# Altium PCB Driver3.1.PcbDoc
Units mil, origin at the board's own origin, x right, y up, seen from the top; angles counter-clockwise.
Board outline 3161.53 x 2569.09 mil, 2 copper layers (Top Layer, Bottom Layer); 33 components, 24 nets, 97 pads, 300 vias.
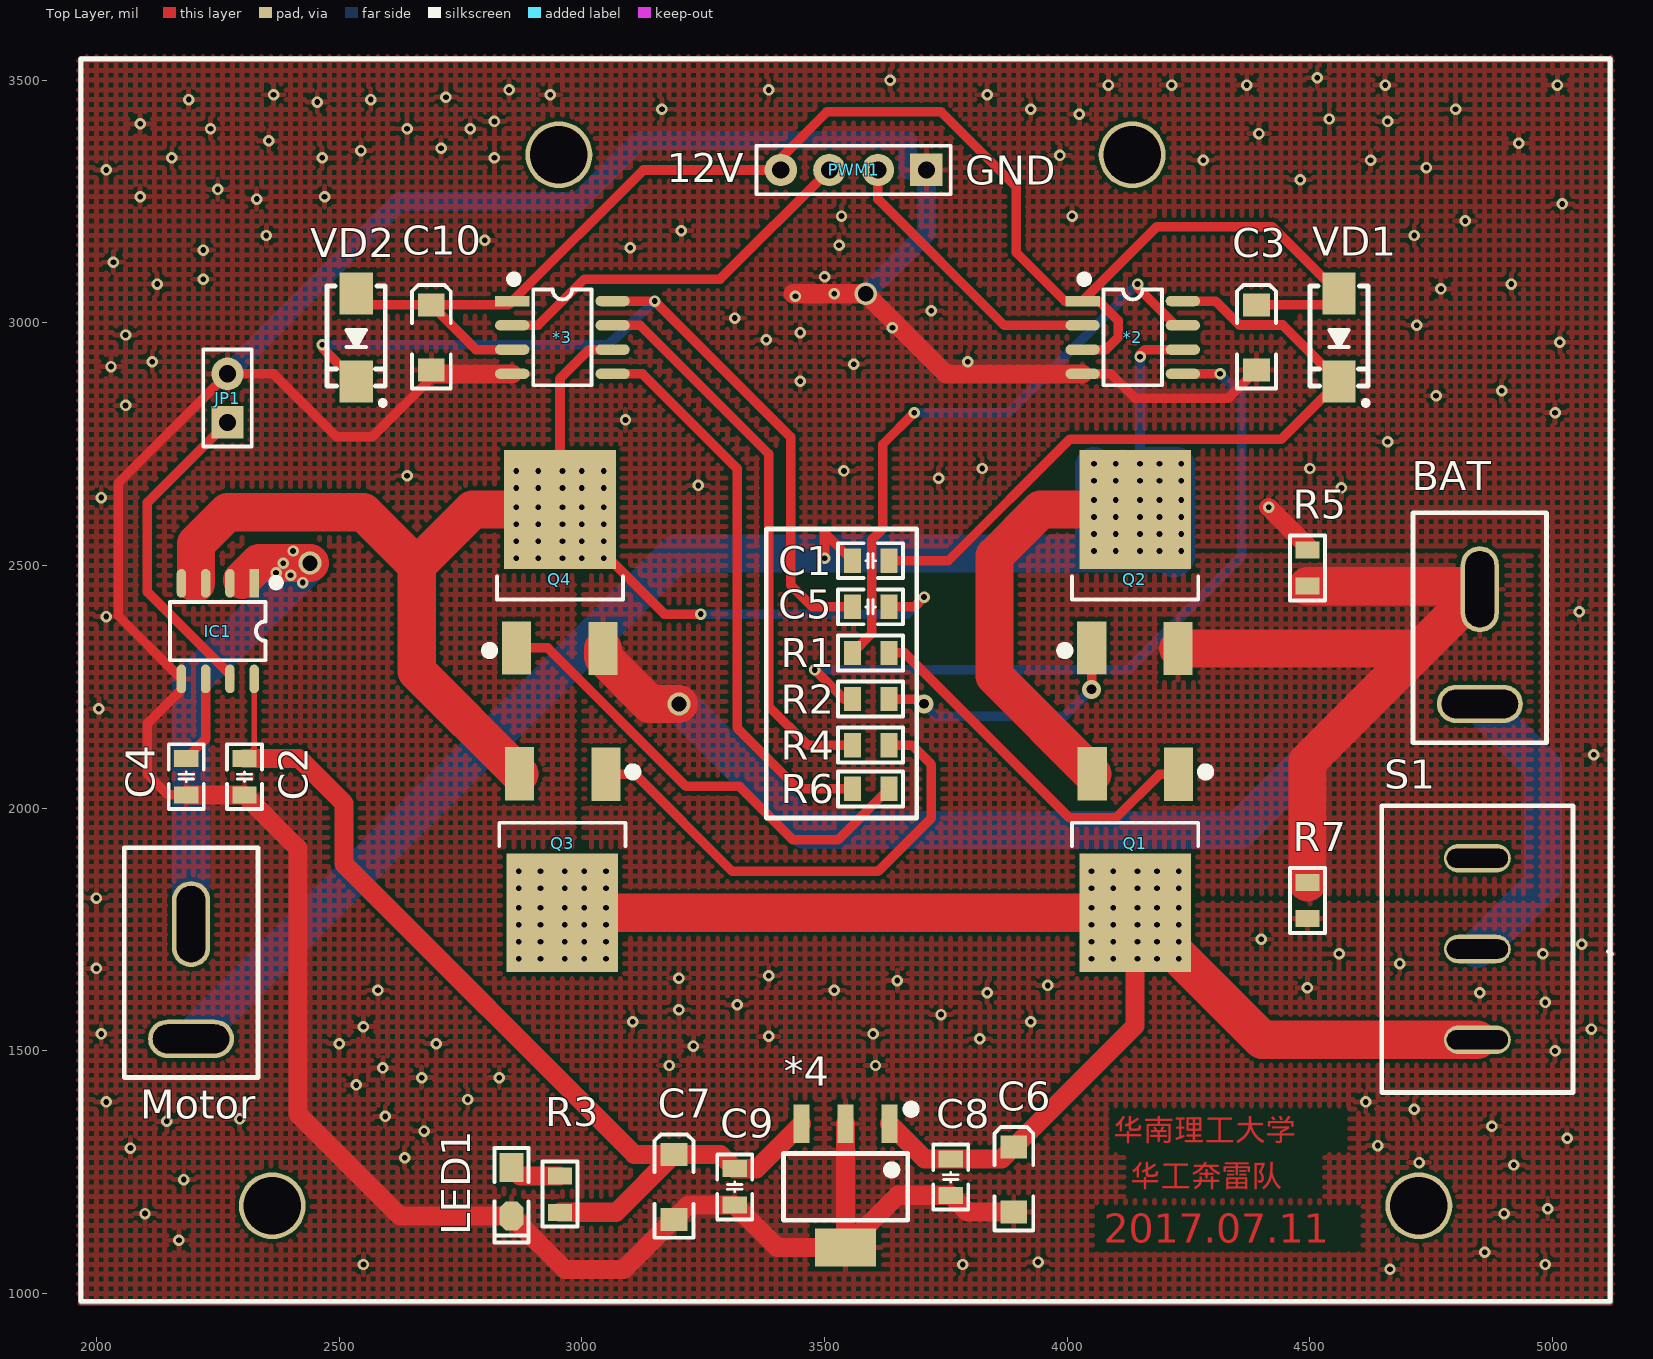
[diagram p0: Top Layer view]
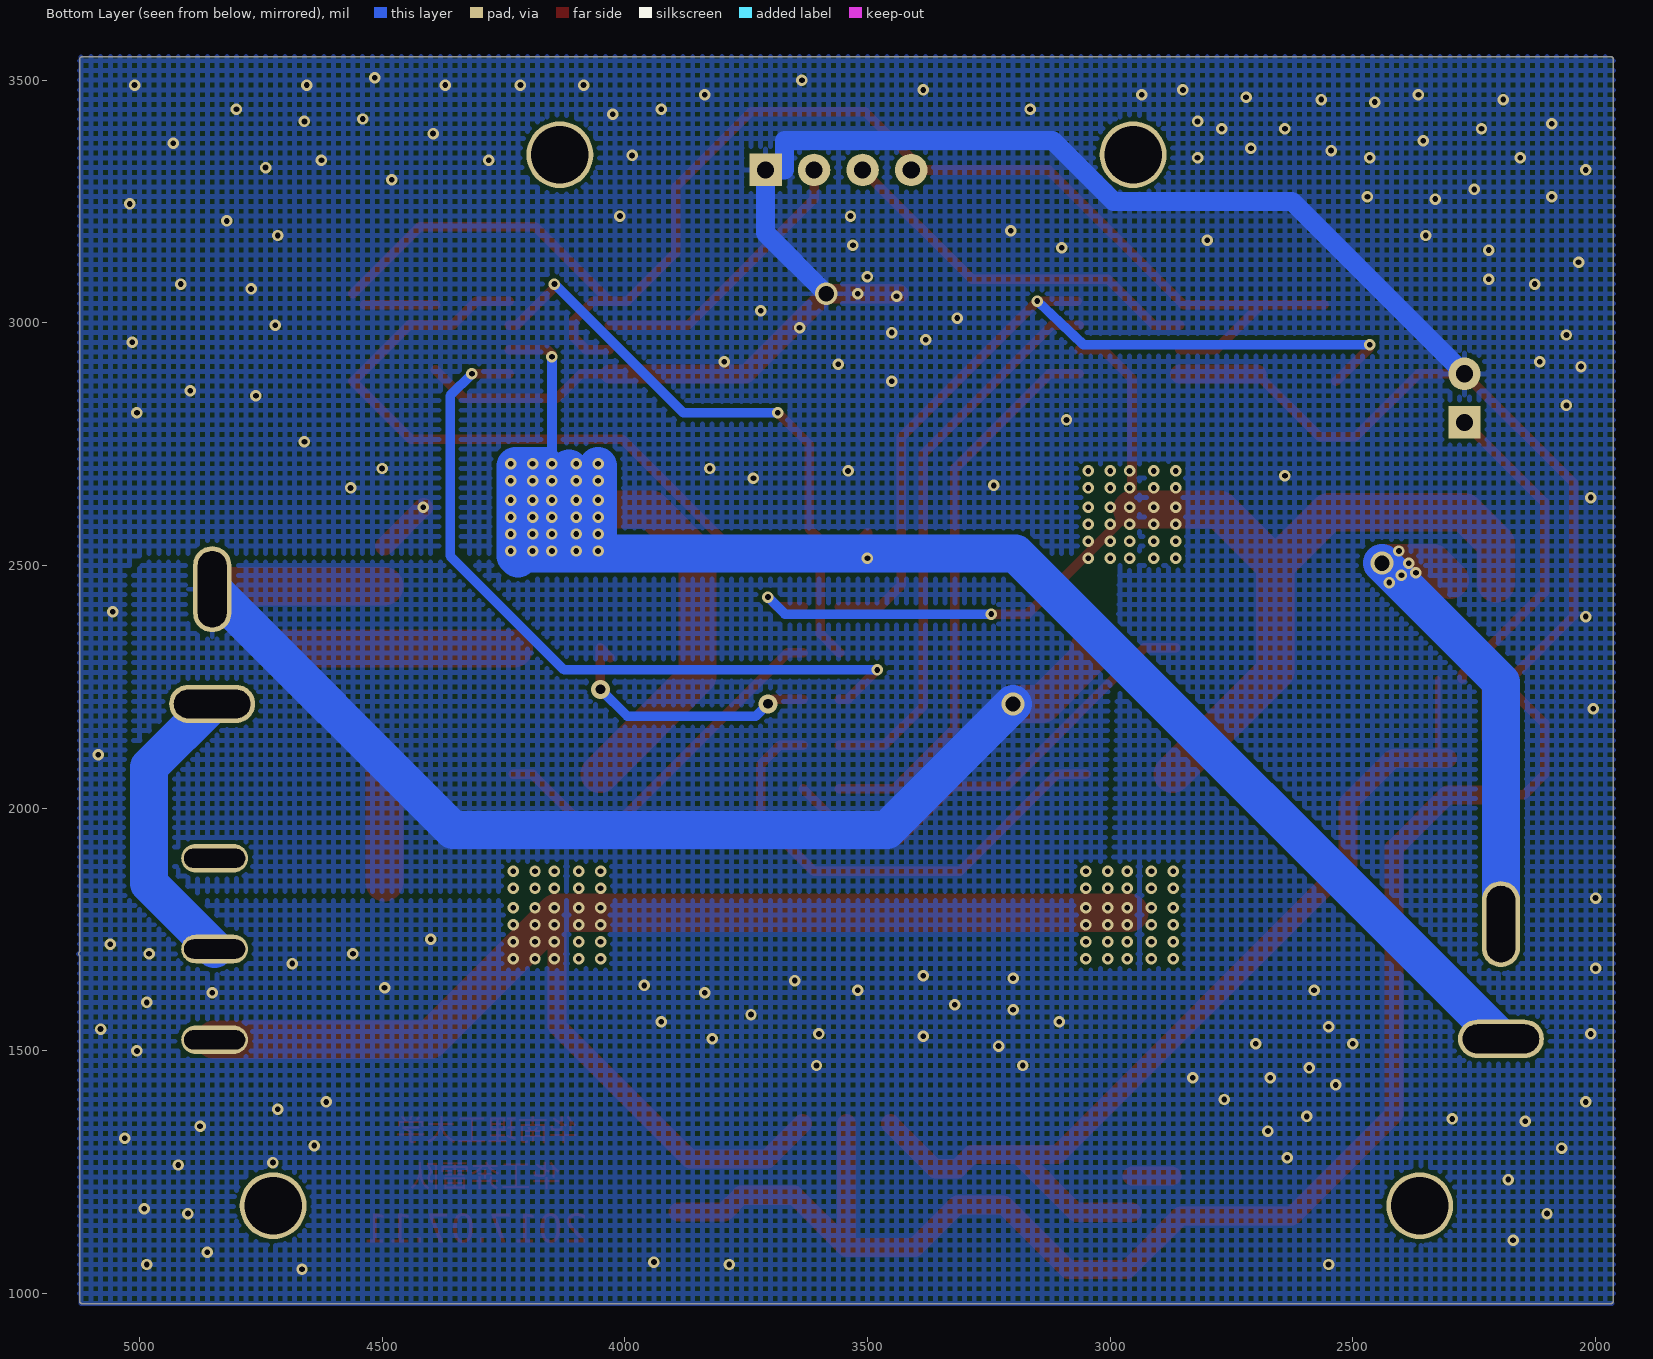
[diagram p1: Bottom Layer view, seen from below]

## Layer stack, top to bottom
Top Solder: solder mask 0.4, Solder Resist, Dk 3.5
Top Layer: signal copper 1.4
Dielectric 1: dielectric 12.6, FR-4, Dk 4.8
Bottom Layer: signal copper 1.4
Bottom Solder: solder mask 0.4, Solder Resist, Dk 3.5

## Board outline
1963.49,984.25 ccw(c1968.5,984.25) 1968.5,979.24 5118.11,979.24 ccw(c5118.11,984.25) 5123.13,984.25 5123.13,1696.08 ccw(c5120,1700) 5125.02,1700 ccw(c5120,1700) 5123.55,1703.55 5123.13,1703.97 5123.13,3543.31 ccw(c5118.11,3543.31) 5118.11,3548.32 1968.5,3548.32 ccw(c1968.5,3543.31) 1963.49,3543.31

## Design rules (kind name [scope] priority, off if disabled: settings)
Clearance [All] p1: gap=7.87
PolygonConnect [All] p1: connectstyle=Relief reliefconductorwidth=10 reliefentries=4 polygonreliefangle="90 Angle" airgapwidth=10
RoutingVias [All] p1: holewidth=11.81 width=23.62 viastyle="Through Hole" minholewidth=11.81 minwidth=23.62 maxholewidth=31.5 maxwidth=62.99
SolderMaskExpansion [All] p1: expansion=4
Width [All] p1: maxlimit=78.74 minlimit=10 preferedwidth=10 minimp=50.000000 maximp=50.000000 favimp=50.000000
30 further rules are at their usual default settings.

## Components (designator, comment, footprint, x,y, rotation, side; value= is the part's Value field where it differs from the comment)
*2 "IR2014S" SOP8_N 4135,2970 r0 top
*3 "IR2014S" SOP8_N 2960,2970 r0 top
*4 "LM2940" SOT223_N 3543.31,1220 r180 top
BAT "Header 2" "SW - DUPLICATE" 4850,2215 r90 top (schematic designator MT_BAT1)
C1 "104" "C 0805_L" 3595,2510 r180 top
C2 "104" "C 0805_L" 2305,2065 r90 top
C3 "Cap Pol1" "CD A(3216)" 4390,2970 r270 top
C4 "103" "C 0805_L" 2185,2065 r90 top
C5 "104" "C 0805_L" 3595,2415 r0 top
C6 "Cap Pol1" "CD A(3216)" 3890,1235 r270 top
C7 "Cap Pol1" "CD A(3216)" 3190,1220 r270 top
C8 "104" "C 0805_L" 3760,1240 r270 top
C9 "104" "C 0805_L" 3315,1220 r270 top
C10 "Cap Pol1" "CD A(3216)" 2690,2970 r270 top
IC1 "ACS712" SOP8_L 2250,2365 r270 top
JP1 "HDR-1X2" HDR2.54-LI-2P 2270,2845 r90 top
LED1 "红色" "LED 0805B" 2855,1210 r270 top
Motor "Motor" "SW - DUPLICATE" 2195,1525 r90 top (schematic designator *1)
PWM1 "HDR-1X4" HDR2.54-LI-4P 3560,3315 r180 top
Q1 "44H11" TO252 4140,1950 r180 top
Q2 "44H11" TO252 4140,2450 r0 top
Q3 "44H11" TO252 2960,1950 r180 top
Q4 "44H11" TO252 2955,2450 r0 top
R1 "1K" "R 0805_L" 3595,2320 r0 top
R2 "1K" "R 0805_L" 3595,2225 r0 top
R3 "1K" "R 0805_L" 2955,1205 r270 top
R4 "1K" "R 0805_L" 3595,2130 r0 top
R5 "1K" "R 0805_L" 4495,2495 r270 top
R6 "1K" "R 0805_L" 3595,2040 r0 top
R7 "1K" "R 0805_L" 4495,1810 r90 top
S1 "KCD1-101" SW_P 4845,1710 r90 top
VD1 "SS14" SMA 4560,2970 r270 top
VD2 "SS14" SMA 2535,2970 r270 top

## Footprints (in the part's own frame and the unit in brackets; to place one, negate y for a bottom-side part, rotate by r counter-clockwise, add the part's x,y. Pads: shape width x height; smd on the part's side, far side on the other; paste and mask are expansions set on the pad)
"C 0805_L" [mil] "无极性贴片电容"
  rect 35x50 smd: 1(-37.4,0) 2(37.4,0)
  silkscreen extent -67,-36 67,36, body extent -39,-24 39,24, height 20
"CD A(3216)" [mm] "长3.2mm，宽1.6mm，厚1.6mm"
  rect 1.2x1.4 smd: 1(-1.7,0) 2(1.7,0)
  silkscreen extent -2.74,-1.02 2.67,1.02, body extent -1.6,-0.8 1.6,0.8, height 1.6
HDR2.54-LI-2P [mm] "排针，2脚"
  rect 1.7x1.7 hole 0.9: 1(-1.27,0)
  round 1.7 hole 0.9: 2(1.27,0)
  silkscreen extent -2.54,-1.27 2.54,1.27, body extent -2.54,-1.27 2.54,1.27, height 8.5
HDR2.54-LI-4P [mm] "排针，4脚"
  rect 1.7x1.7 hole 0.9: 1(-3.81,0)
  round 1.7 hole 0.9: 2(-1.27,0) 3(1.27,0) 4(3.81,0)
  silkscreen extent -5.08,-1.27 5.08,1.27, body extent -5.08,-1.27 5.08,1.27, height 8.5
"LED 0805B" [mil] "蓝色0805LED"
  rect 60x50 smd: 1(-50,0)
  oct 60x50 smd: 2(50,0)
  silkscreen extent -90,-35 105,35, body extent -39,-25 39,25, height 32
"R 0805_L" [mil] "1/8W贴片电阻"
  rect 35x50 smd: 1(-37.4,0) 2(37.4,0)
  silkscreen extent -67,-36 67,36, body extent -39,-25 39,25, height 20
SMA [mm] "4.5x2.6*2.2mm（长宽高，不包括引脚）"
  rect 2.2x1.75 smd: 1(-2.3,0) 2(2.3,0)
  silkscreen extent -2.7,-1.52 3.56,1.52, body extent -2.53,-1.3 2.58,1.3, height 2.15
SOP8_L [mm] "5*6*1.8mm（长宽高）"
  rect 1.5x0.5 smd: 1(-2.5,1.905)
  oval 1.5x0.5 smd: 2(-2.5,0.635) 3(-2.5,-0.635) 4(-2.5,-1.905) 5(2.5,-1.905) 6(2.5,-0.635) 7(2.5,0.635) 8(2.5,1.905)
  silkscreen extent -2.69,-2.5 1.52,3.2, body extent -3,-2.5 3,2.5, height 1.9
SOP8_N [mm] "5*6*1.8mm（长宽高）"
  rect 1.8x0.55 smd: 1(-2.625,1.905)
  oval 1.8x0.55 smd: 2(-2.625,0.635) 3(-2.625,-0.635) 4(-2.625,-1.905) 5(2.625,-1.905) 6(2.625,-0.635) 7(2.625,0.635) 8(2.625,1.905)
  silkscreen extent -2.69,-2.5 1.52,3.2, body extent -3,-2.5 3,2.5, height 1.9
SOT223_N [mm] "6.4x7x1.6mm(长宽高)"
  rect 0.85x2 smd: 1(-2.3,-3.302) 2(0,-3.302) 3(2.3,-3.302)
  rect 3.2x2 smd: 2(0,3.175)
  silkscreen extent -3.63,-4.26 3.25,1.75, body extent -3.25,-3.51 3.25,3.51, height 1.65
"SW - DUPLICATE" [mm]
  oval 2x4.5 hole 1.5 slot 4 at 90 deg: 1(0,0)
  oval 4.5x2 hole 1.5 slot 4 at 0 deg: 2(6,0)
  silkscreen extent -2.03,-3.5 10,3.5
SW_P [mm]
  oval 1.5x3.5 hole 1 slot 3.2 at 90 deg: 1(-4.75,0) 2(0,0) 3(4.75,0)
  silkscreen extent -7.5,-5 7.5,5
TO252 [mil] "252晶体管"
  rect 60x110 smd: 1(-89.55,-119.77) 3(88.45,-120.77)
  rect 230x245 smd: 2(0,165.35)
  silkscreen extent -153,-133 130,28, body extent -128,-120 128,251, height 91

## Part data
BAT: "Header, 2-Pin"
C1 C2 C4 C5 C8 C9: library part C, "无极性贴片电容"
C3 C6 C7 C10: "Polarized Capacitor (Radial)"
IC1: "电流检测芯片"
JP1: library part "Header 2", "2P接插件"
LED1: library part LED-SMD, "贴片LED"
PWM1: library part "Header 4", "4P接插件"
Q1 Q2 Q3 Q4: "互补功率-NPN型"
R1 R2 R3 R4 R5 R6 R7: library part R, "贴片电阻"
S1: "1路单刀船型开关"
VD1 VD2: "肖特基二极管"

## Free pads (board coordinates)
  round 137.8 hole 118.11: 0(2362.2,1181.1) 0(2952.76,3346.46) 0(4133.86,3346.46) 0(4724.41,1181.1)

## Via types
v1: diameter 23.62, hole 11.81, Top Layer to Bottom Layer, tented both sides, 295 vias
v2: diameter 47.24, hole 31.5, Top Layer to Bottom Layer, tented both sides, 3 vias
v3: diameter 39.37, hole 19.68, Top Layer to Bottom Layer, tented both sides, 2 vias

## Nets (pads, with @x,y where several pads share a name; then routed paths per layer and width w, separated by ;. In a path a pad name is that pad's centre, name@x,y a point inside that pad or via, vN(x,y) a via of type N, cw(c..) or ccw(c..) an arc to the next point about the centre after c; other vN are vias at no path point)
5V: *4.3 C2.2 C7.1 C9.1 IC1.8 R3.2 | length 2066.2
  Top Layer w11.81: C2.2 2325,2122.4 IC1.8
  Top Layer w39.37: C2.2 2417.6,2102.4 2510,2010 2510,1885 3108.07,1286.93 C7.1 ; R3.2 3070.67,1167.6 C7.1 ; *4.3 3360.16,1257.4 C9.1 3285.47,1286.93 C7.1
12V: *2.1 *2.3 *3.1 *3.3 C3.1 C10.1 PWM1.4 VD1.1 VD2.1 | length 3101.9
  Top Layer w19.68: VD2.1@2558.62,3036.93 C10.1 ; *3.3 2781.93,2945 C10.1 ; *2.3 4080,2945 4105,2970 4105,3005 4065,3045 *2.1 ; C3.1 VD1.1@4536.38,3036.93 ; VD1.1 4422.2,3198.35 4185,3198.35 *2.1 ; C10.1 2848.58,3036.93 *3.1 3126.65,3315 PWM1.4 3410,3340 3505,3435 3740,3435 3895,3280 3895,3145 3995,3045 *2.1
ADC_CRT_1: IC1.7 JP1.1 | length 667.2
  Top Layer w19.68: JP1.1 2105,2630 2105,2445.23 2275,2275.23 IC1.7
AGND: BAT.2 Q2.3 Q4.3 R5.2 R7.2 | length 3776.5
  Top Layer w78.74: Q4.3 3043.45,2311.55 3140,2215 v2(3200,2215) ; Q2.3 4728.01,2329.23 ; R7.2 4495,2096.22 4728.01,2329.23 ; R5.2 BAT.2@4843.62,2457.6 ; BAT.2 4728.01,2329.23
  Bottom Layer w78.74: v2(3200,2215) 3460,1955 4353.78,1955 BAT.2
CRT_TEST_1: IC1.1 IC1.2 Motor.2 | length 1024.8
  Top Layer w11.81: IC1.2 2300,2463.43
  Top Layer w78.74: 2300,2470 2335,2505 v2(2440,2505)
  Bottom Layer w78.74: Motor.2 2195,2260 v2(2440,2505)
  other v1: 2425,2465 2400,2480 2370,2485 2385,2505 2405,2530
DGND: *2.4 *3.4 *4.2 C2.1 C3.2 C4.1 C6.2 C7.2 C8.2 C9.2 C10.2 IC1.5 JP1.2 LED1.2 PWM1.1 R5.1 R7.1 | length 7795.5
  Top Layer w19.68: IC1.5@2175,2245 2105,2175 2105,2070 2147.4,2027.6 C4.1 ; IC1.5 2045,2396.57 2045,2670 JP1.2 2365,2895 2495,2765 2568.07,2765 C10.2@2698.07,2895 ; *2.4 4090,2895 4140,2845 4331.93,2845 C3.2
  Top Layer w39.37: C4.1 C2.1 2415,1917.6 2415,1370 2625,1160 LED1.2 2965,1050 3086.93,1050 C7.2 3219.53,1182.6 C9.2 3402.6,1095 *4.2@3543.31,1095 ; C10.2@2698.07,2895 *3.4 ; v1@3435,3060 v2(3585,3060) 3750,2895 *2.4 ; *4.2@3543.31,1350 *4.2@3543.31,1095 ; C6.2 3794.53,1168.07 C8.2 3650.91,1202.6 *4.2@3543.31,1095 ; v1(4415,2620) R5.1@4495,2540
  Bottom Layer w39.37: JP1.2 2625,3250 2992.71,3250 3118.73,3376.02 3671.02,3376.02 3671.02,3315 PWM1.1 3710,3185 v2(3585,3060)
  other v1: 4665,1050 2550,1060 3785,1060 4985,1060 3940,1065 4860,1085 2170,1110 2100,1165 4900,1165 4990,1175 2180,1235 4920,1265 4725,1270 2635,1280 2070,1300 4640,1305 5030,1320 2675,1335 4875,1345 2145,1355 2295,1360 2595,1365 4715,1380 2020,1395 4615,1395 2765,1400 2535,1430 2670,1445 2830,1445 2590,1465 3180,1470 3605,1470 5005,1500 3230,1510 2500,1515 2700,1515 3820,1525 3385,1530 2010,1535 3600,1535 5080,1545 2550,1550 3105,1560 3925,1560 3740,1575 3200,1585 3320,1595 4985,1600 3835,1620 4850,1620 2580,1625 3520,1625 4495,1630 3960,1635 3650,1645 3200,1650 3385,1655 2000,1670 4685,1680 4560,1700 4980,1700 5060,1720 4400,1730 2000,1815 5085,2110 2005,2205 2020,2395 5055,2405 2010,2640 4565,2660 3240,2665 3735,2680 2640,2685 3540,2695 3825,2700 4500,2700 4660,2755 3090,2800 5005,2815 2060,2830 4760,2850 4895,2860 3450,2880 2030,2910 3560,2915 2115,2920 3795,2920 5015,2960 3380,2965 2060,2975 3450,2980 3640,2990 4720,2995 3315,3010 3720,3025 3440,3055 3520,3060 4770,3070 2125,3080 4915,3080 2220,3090 3500,3095 2035,3125 2220,3150 3100,3155 3530,3160 2800,3170 2350,3180 4715,3180 3205,3190 4820,3210 3535,3220 4010,3220 5020,3245 2330,3255 2090,3260 2470,3260 2250,3275 4480,3295 2020,3315 4740,3320 4280,3335 4625,3335 2155,3340 2465,3340 2820,3340 3985,3345 2545,3355 2710,3360 4930,3370 2355,3375 4395,3390 2235,3400 2640,3400 2770,3400 2090,3410 2820,3415 4660,3415 4540,3420 4025,3430 3165,3440 3925,3440 4800,3440 2455,3455 2190,3460 2565,3460 2720,3465 2365,3470 2935,3470 3835,3470 2850,3480 3385,3480 4085,3490 4215,3490 4370,3490 4655,3490 5010,3490 3635,3500 4515,3505
MOTOR1_IN1: *2.2 PWM1.2 | length 589.3
  Top Layer w19.68: PWM1.2 3610,3255 3870,2995 *2.2
MOTOR1_IN2: *3.2 PWM1.3 | length 785.9
  Top Layer w19.68: *3.2 2910,2995 3005,3090 3285,3090 PWM1.3
MOTOR1_N: *3.6 C5.2 IC1.3 IC1.4 Q3.3 Q4.2 | length 2856.1
  Top Layer w11.81: IC1.4 IC1.3
  Top Layer w19.68: *3.6 3015,2945 2955,2885 Q4.2 3170.35,2400 v1(3245,2400) ; C5.2 3685,2415 v1(3705,2435)
  Top Layer w78.74: 2205,2463.43 2205,2545 2270,2610 2550,2610 2660,2500 ; Q3.3 2660,2282.32 2660,2500 ; Q4.2 2775.35,2615.35 2660,2500
  Bottom Layer w19.68: v1(3245,2400) 3670,2400 v1(3705,2435)
  other v1: 2865,2515 2910,2515 2960,2515 3000,2515 3045,2515 2865,2550 2910,2550 2960,2550 3000,2550 3045,2550 2865,2585 2910,2585 2960,2585 3000,2585 3045,2585 2865,2620 2910,2620 2960,2620 3000,2620 3045,2620 2865,2660 2910,2660 2960,2660 3000,2660 3045,2660 2865,2695 2910,2695 2960,2695 3000,2695 3045,2695
MOTOR1_P: *2.6 C1.2 Motor.1 Q1.3 Q2.2 | length 4430.4
  Top Layer w19.68: v1(3500,2515) 3500,2567.6 C1.2 ; v1(4150,2930) 4150,2935 4160,2945 *2.6
  Top Layer w78.74: Q2.2@4045,2615.35 3945.35,2615.35 3850,2520 3850,2272.32 Q1.3
  Bottom Layer w19.68: v1@4150,2715 v1(4150,2930)
  Bottom Layer w78.74: Motor.1 3195,2525 v1@4045,2525 ; v1@4055,2705 4055,2535 v1@4045,2525 ; 4115,2545 4115,2700 ; v1@4045,2525 v1@4160,2525 ; v1@4160,2525 4210,2525 4220,2515 4225,2520 4225,2705 4165,2705 4160,2700 v1@4160,2525
  other v1: 4055,2530 4100,2530 4150,2530 4190,2530 4235,2530 4055,2565 4100,2565 4150,2565 4190,2565 4235,2565 4055,2600 4100,2600 4150,2600 4190,2600 4235,2600 4055,2635 4100,2635 4150,2635 4190,2635 4235,2635 4055,2675 4100,2675 4150,2675 4190,2675 4235,2675 4055,2710 4100,2710 4150,2710 4190,2710 4235,2710
Net*2_5: *2.5 R2.1 | length 1550.1
  Top Layer w19.68: v1(3480,2285) 3540,2225 R2.1 ; *2.5 v1(4315,2895)
  Bottom Layer w19.68: v1(3480,2285) 4125,2285 4360,2520 4360,2850 v1(4315,2895)
Net*2_7: *2.7 R1.1 | length 1250
  Top Layer w19.68: R1.1 3597.18,2359.58 3597.18,2552.71 3620,2575.53 3620,2750 v1(3685,2815) ; v1(4145,3080) 4145,3073.37 4223.37,2995 *2.7
  Bottom Layer w19.68: v1(3685,2815) 3880,2815 v1(4145,3080)
Net*2_8: *2.8 C1.1 VD1.2 | length 1470.9
  Top Layer w19.68: C1.1 3755,2510 4005,2760 4440.55,2760 VD1.2 4443.86,2995.59 4355.1,2995.59 4305.69,3045 *2.8
Net*3_5: *3.5 R6.1 | length 1161.8
  Top Layer w19.68: *3.5 3125,2895 3320,2700 3320,2165 3445,2040 R6.1
Net*3_7: *3.7 R4.1 | length 1157.2
  Top Layer w19.68: *3.7 3120,2995 3385,2730 3385,2210 3465,2130 R4.1
Net*3_8: *3.8 C5.1 VD2.2 | length 1754.3
  Top Layer w19.68: v1(2465,2955) 2465,2949.45 VD2.2 ; *3.8@3068.35,3045 v1(3150,3045) 3430,2765 3430,2460 3475,2415 C5.1
  Bottom Layer w19.68: v1(2465,2955) 3055,2955 v1(3150,3045)
NetC4_2: C4.2 IC1.6 | length 180.7
  Top Layer w19.68: C4.2 2225,2142.4 IC1.6
NetLED1_1: LED1.1 R3.1 | length 82.4
  Top Layer w39.37: LED1.1@2872.6,1242.4 R3.1
NetMT_BAT1_1: BAT.1 S1.2 | length 614.8
  Bottom Layer w78.74: S1.2 4980,1845 4980,2085 BAT.1
NetQ1_1: Q1.1 R1.2 | length 775.2
  Top Layer w19.68: R1.2 3665,2320 4005,1980 4100,1980 4189.77,2069.77 Q1.1
NetQ2_1: Q2.1 R2.2 | length 569.8
  Top Layer w19.68: R2.2 3695,2225 v3(3705,2215) ; Q2.1@4030.22,2310 Q2.1 4050.45,2244.55 v3(4050,2245)
  Bottom Layer w19.68: v3(3705,2215) 3730,2190 3995,2190 v3(4050,2245)
NetQ3_1: Q3.1 R4.2 | length 1012.9
  Top Layer w19.68: Q3.1 3110.23,2069.77 3310,1870 3610.12,1870 3720,1979.88 3720,2089.88 3679.89,2130 R4.2
NetQ4_1: Q4.1 R6.2 | length 974.1
  Top Layer w19.68: Q4.1 2929.77,2330.23 3215,2045 3325,2045 3435,1935 3527.4,1935 R6.2
VBAT: *4.1 C6.1 C8.1 Q1.2 Q3.2 S1.1 | length 2876
  Top Layer w39.37: *4.1 3706.45,1277.4 C8.1 3865.48,1277.4 C6.1 4140,1551.93 Q1.2
  Top Layer w78.74: Q3.2 Q1.2 4401.65,1522.99 S1.1
  other v1: 2870,1690 2915,1690 2965,1690 3005,1690 3050,1690 4050,1690 4095,1690 4145,1690 4185,1690 4230,1690 2870,1725 2915,1725 2965,1725 3005,1725 3050,1725 4050,1725 4095,1725 4145,1725 4185,1725 4230,1725 2870,1760 2915,1760 2965,1760 3005,1760 3050,1760 4050,1760 4095,1760 4145,1760 4185,1760 4230,1760 2870,1795 2915,1795 2965,1795 3005,1795 3050,1795 4050,1795 4095,1795 4145,1795 4185,1795 4230,1795 2870,1835 2915,1835 2965,1835 3005,1835 3050,1835 4050,1835 4095,1835 4145,1835 4185,1835 4230,1835 2870,1870 2915,1870 2965,1870 3005,1870 3050,1870 4050,1870 4095,1870 4145,1870 4185,1870 4230,1870
pads on no net: S1.3

## Polygon pours and split planes (outlines as drawn)
AGND on Bottom Layer "Top Layer-No Net3" (hatched 90Degree grid 20 track 10.24, remove dead copper, pour order 7): 1963.49,984.25 ccw(c1968.5,984.25) 1968.5,979.24 5118.11,979.24 ccw(c5118.11,984.25) 5123.13,984.25 5123.13,1696.08 ccw(c5120,1700) 5125.02,1700 ccw(c5120,1700) 5123.55,1703.55 5123.13,1703.97 5123.13,3543.31 ccw(c5118.11,3543.31) 5118.11,3548.32 1968.5,3548.32 ccw(c1968.5,3543.31) 1963.49,3543.31
DGND on Bottom Layer "Top Layer-No Net1" (hatched 90Degree grid 20 track 10.24, remove dead copper, pour order 5): 1963.49,984.25 ccw(c1968.5,984.25) 1968.5,979.24 5118.11,979.24 ccw(c5118.11,984.25) 5123.13,984.25 5123.13,1696.08 ccw(c5120,1700) 5125.02,1700 ccw(c5120,1700) 5123.55,1703.55 5123.13,1703.97 5123.13,3543.31 ccw(c5118.11,3543.31) 5118.11,3548.32 1968.5,3548.32 ccw(c1968.5,3543.31) 1963.49,3543.31
AGND on Top Layer "Top Layer-No Net2" (hatched 90Degree grid 20 track 10.24, remove dead copper, pour order 9): 1963.49,984.25 ccw(c1968.5,984.25) 1968.5,979.24 5118.11,979.24 ccw(c5118.11,984.25) 5123.13,984.25 5123.13,1696.08 ccw(c5120,1700) 5125.02,1700 ccw(c5120,1700) 5123.55,1703.55 5123.13,1703.97 5123.13,3543.31 ccw(c5118.11,3543.31) 5118.11,3548.32 1968.5,3548.32 ccw(c1968.5,3543.31) 1963.49,3543.31
DGND on Top Layer "Top Layer-No Net" (hatched 90Degree grid 20 track 10.24, remove dead copper, pour order 8): 1963.49,984.25 ccw(c1968.5,984.25) 1968.5,979.24 5118.11,979.24 ccw(c5118.11,984.25) 5123.13,984.25 5123.13,1696.08 ccw(c5120,1700) 5125.02,1700 ccw(c5120,1700) 5123.55,1703.55 5123.13,1703.97 5123.13,3543.31 ccw(c5118.11,3543.31) 5118.11,3548.32 1968.5,3548.32 ccw(c1968.5,3543.31) 1963.49,3543.31

## Other copper
Top Layer:
  text "华南理工大学" at 4095,1300 h78.74
  text "华工奔雷队" at 4130,1205 h78.74
  text "2017.07.11" at 4075,1105 h59.06

## Silkscreen, mask and mechanical layers (free items; w line width, h text height)
Top Overlay:
  lines w10: 5115,1705 5120,1700 ; 1968.5,984.25 1968.5,3543.31 5118.11,3543.31 5118.11,984.25 1968.5,984.25 ; 3380,1980 3690,1980 3690,2575 3380,2575 3380,1980
  text "12V" at 3175,3290 h59.06
  text "GND" at 3790,3285 h59.06
Top Paste:
  lines w80: 3055,1785 4105,1785